# Altium PCB RFFE-Ver1A.PcbDoc (part 1 of 7) (continued)
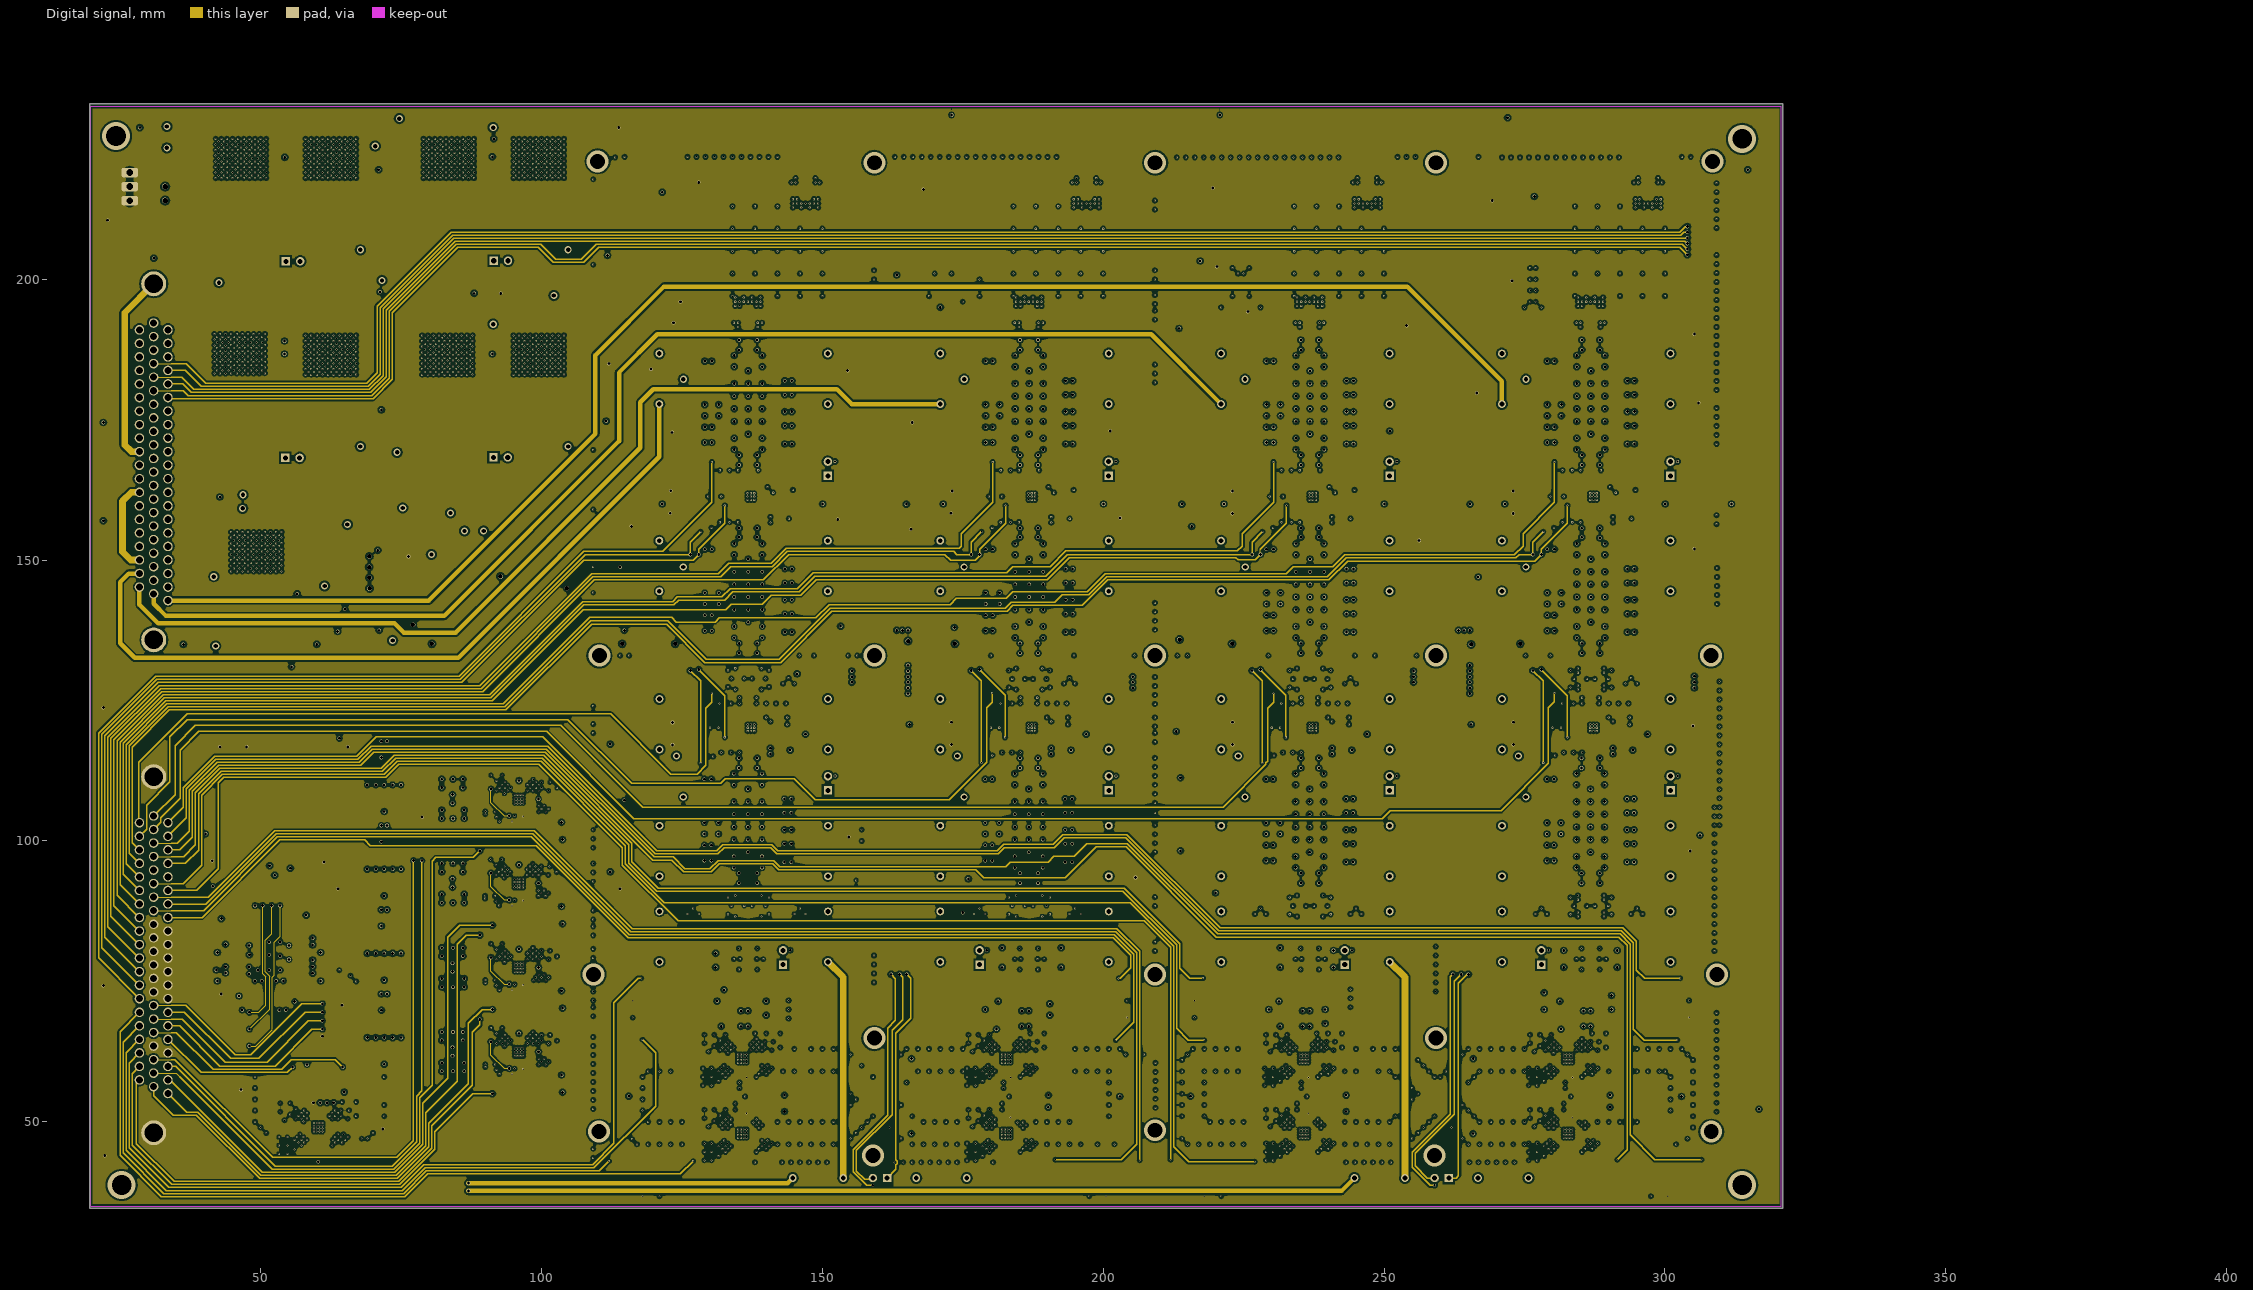
[diagram p5: Digital signal]
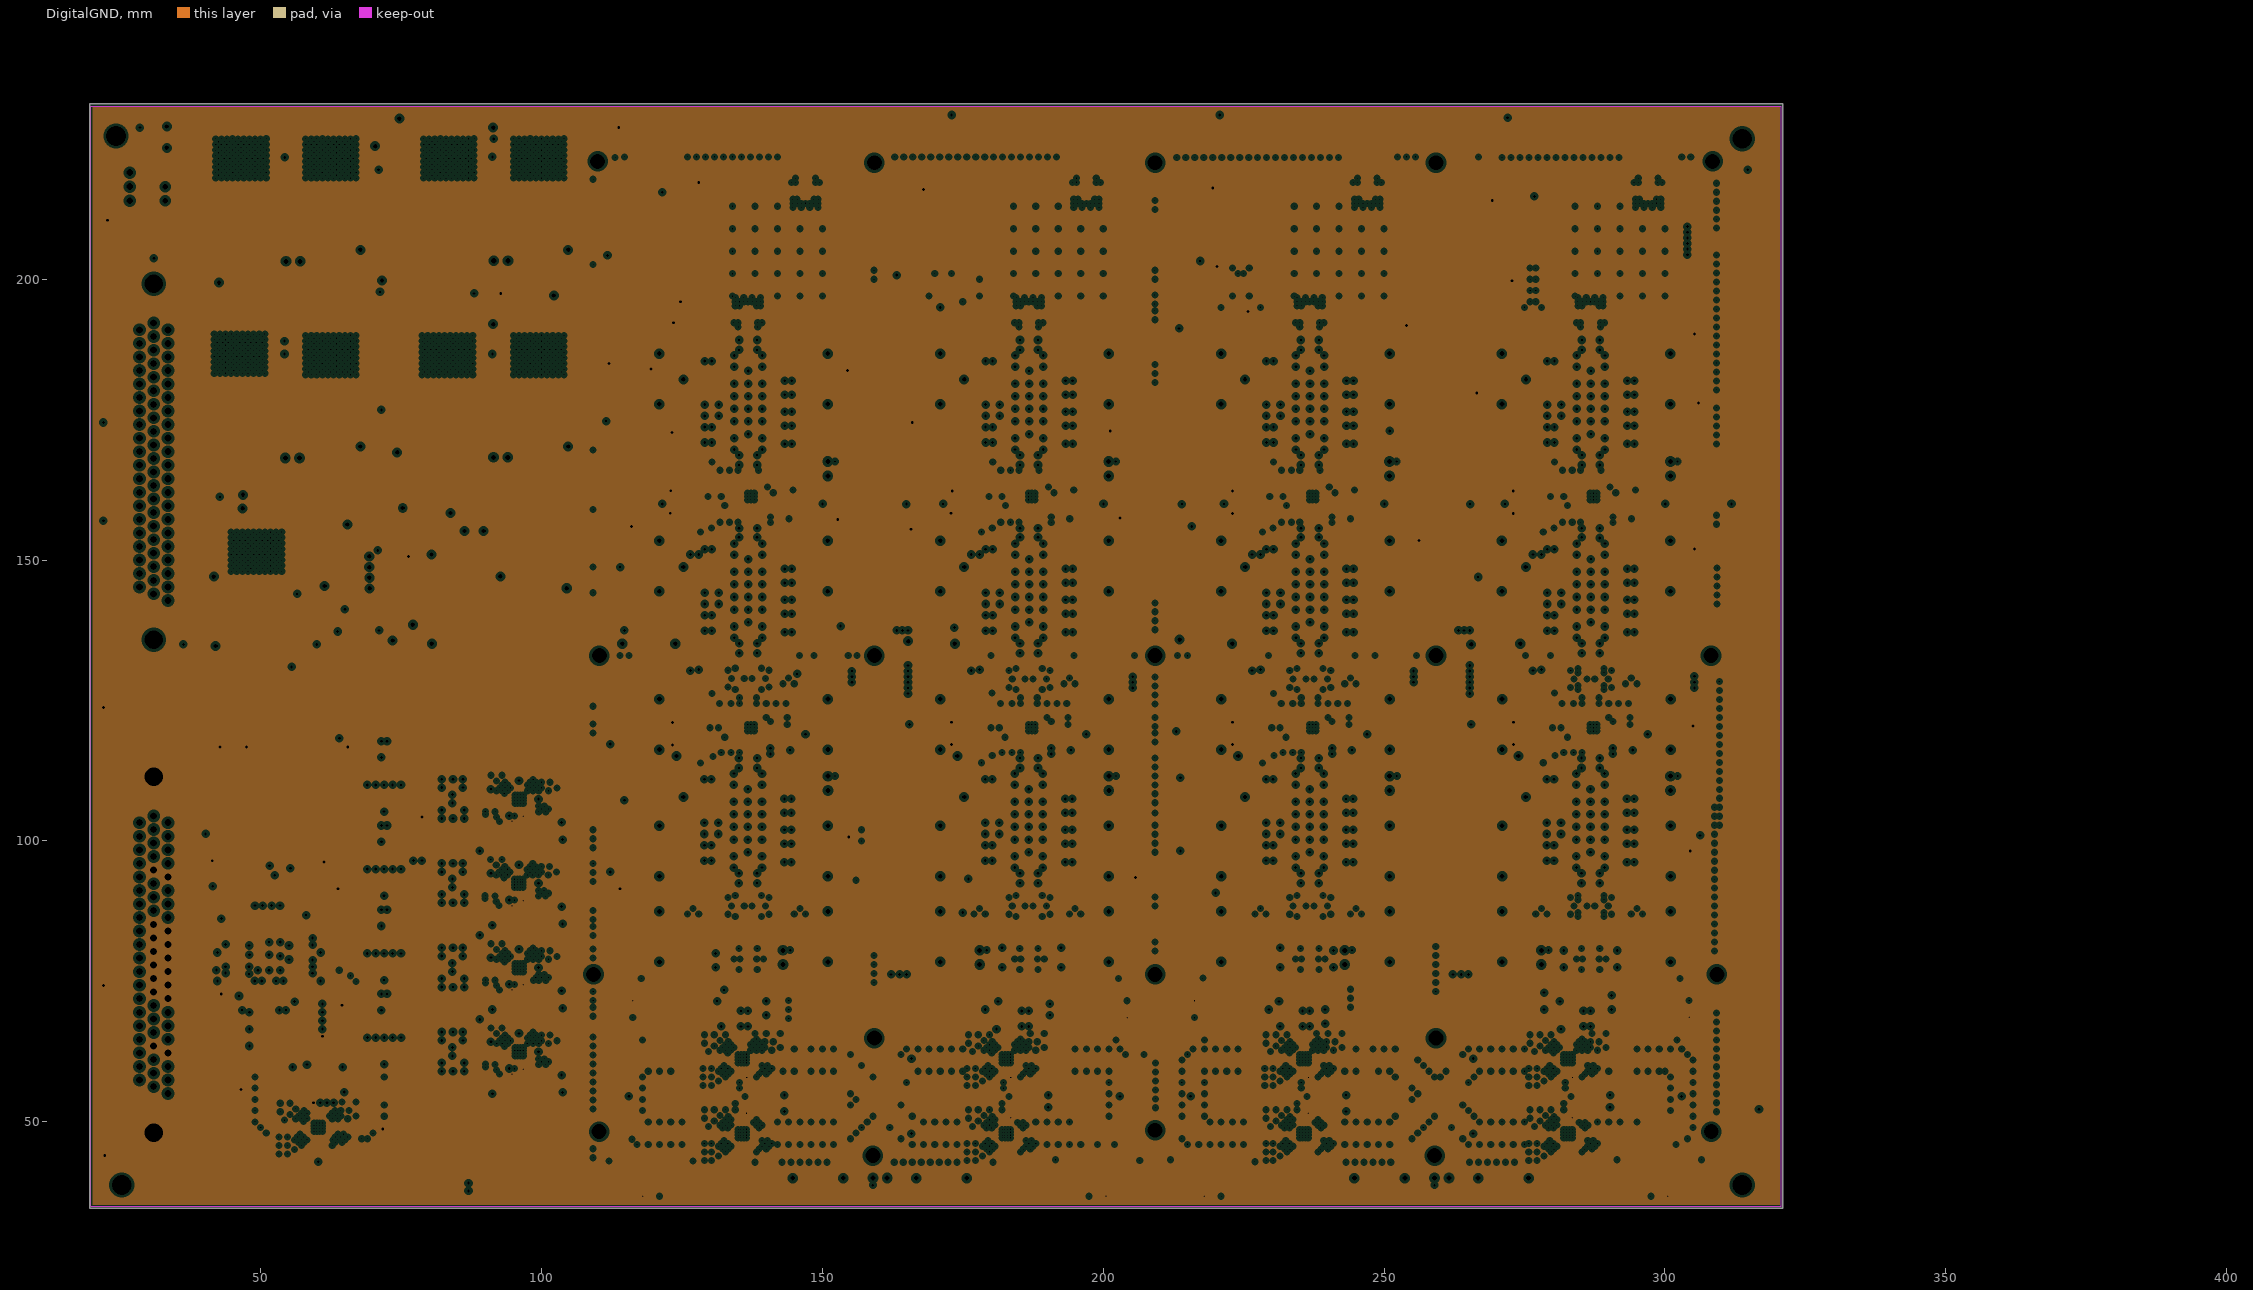
[diagram p6: DigitalGND, clearances drawn from the general rule]
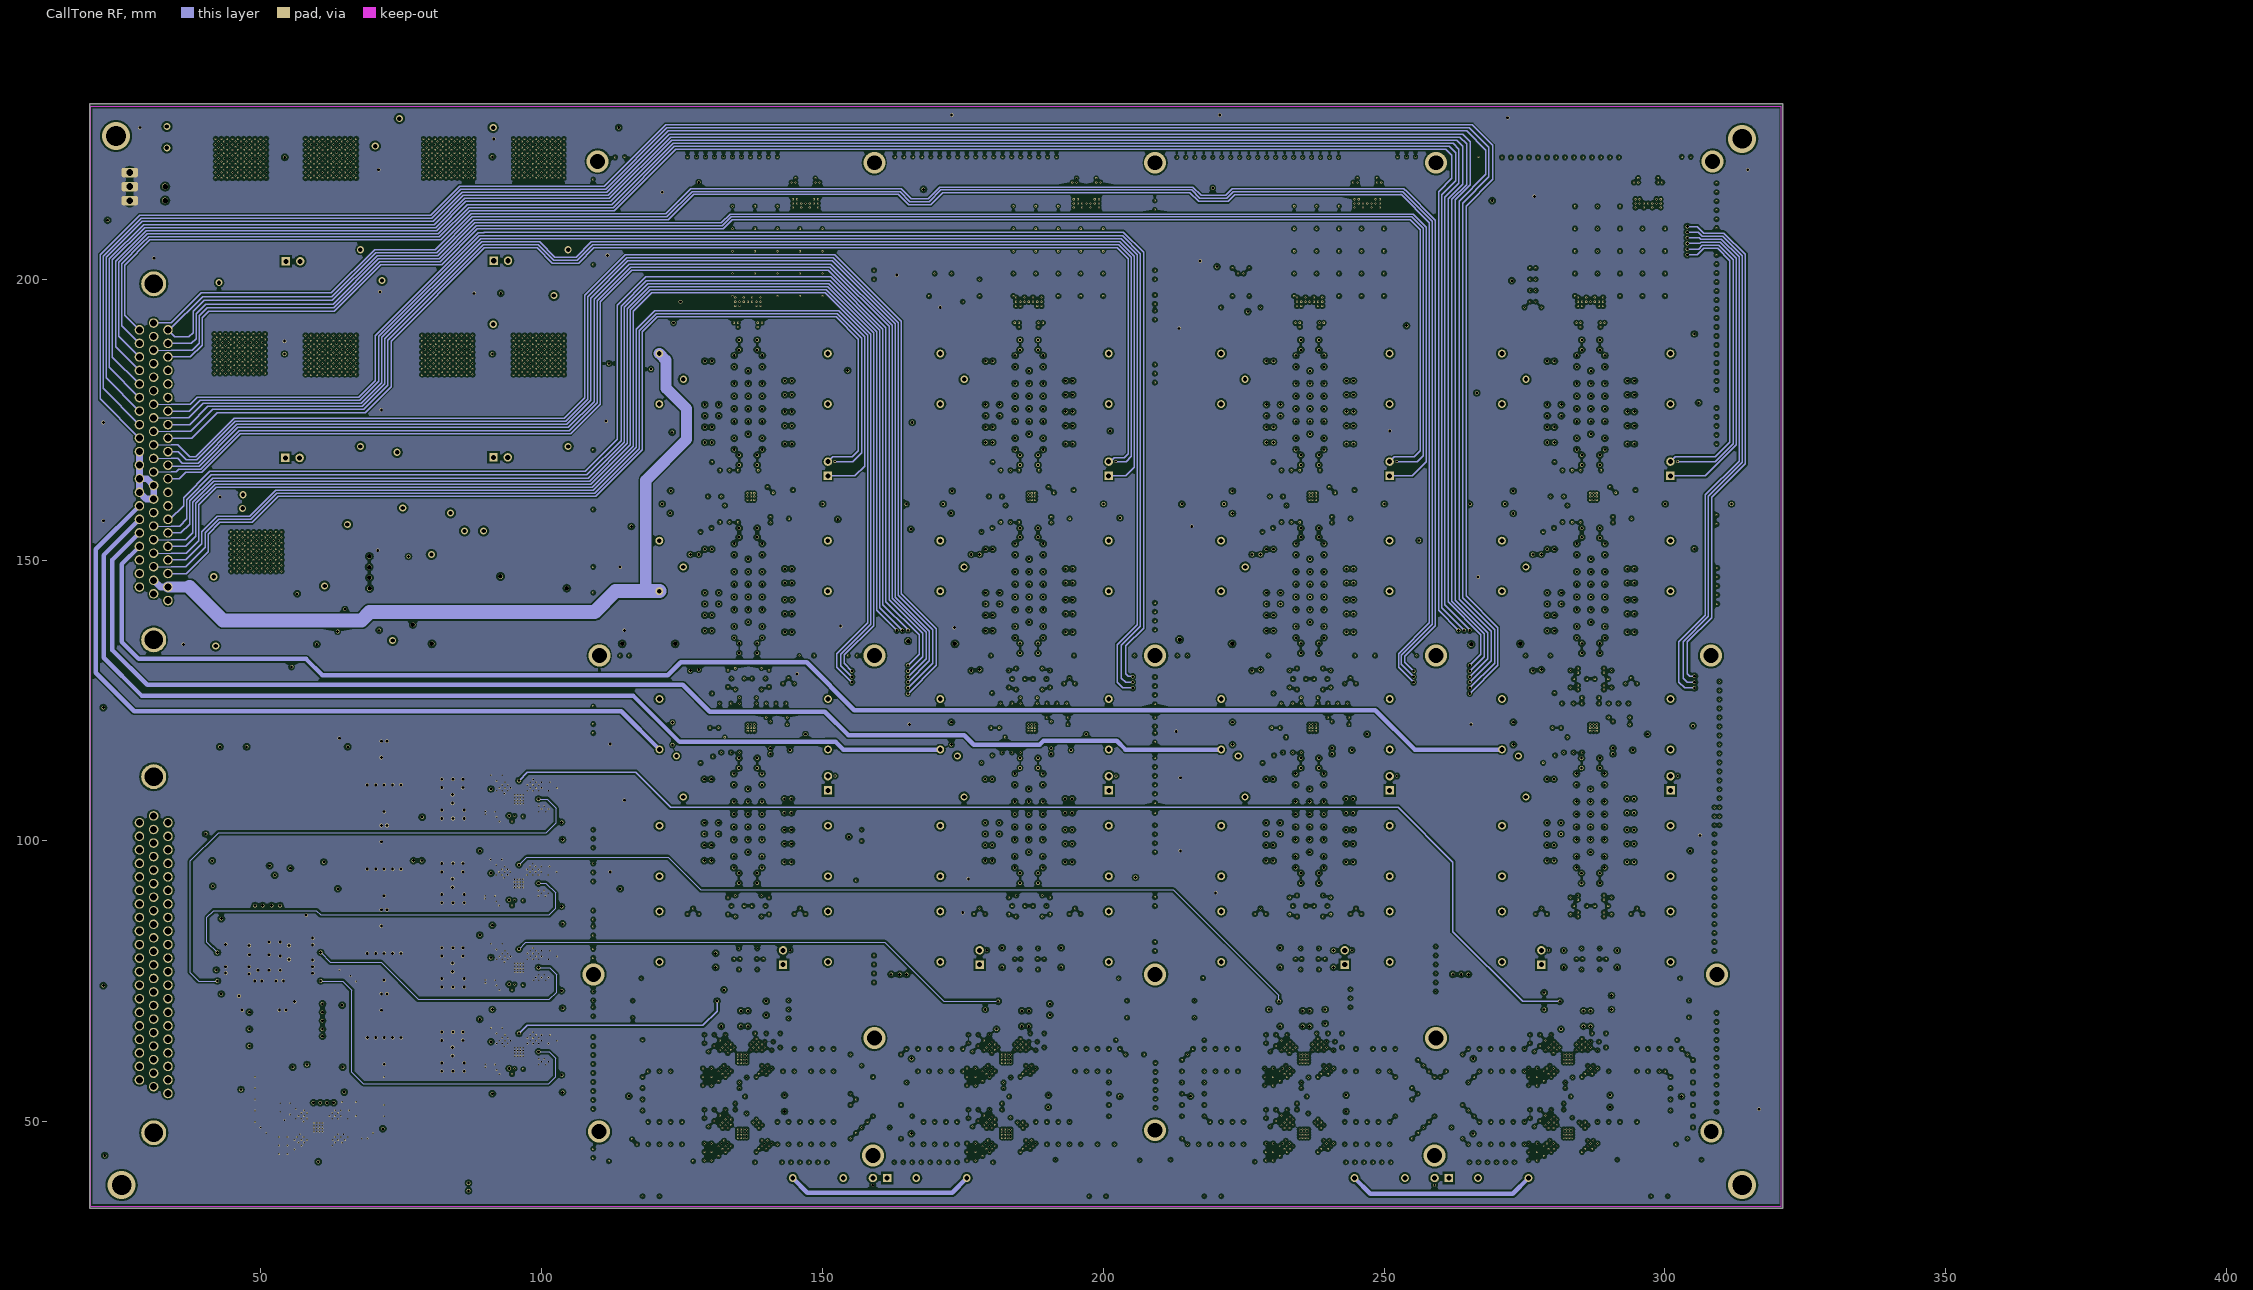
[diagram p7: CallTone RF]
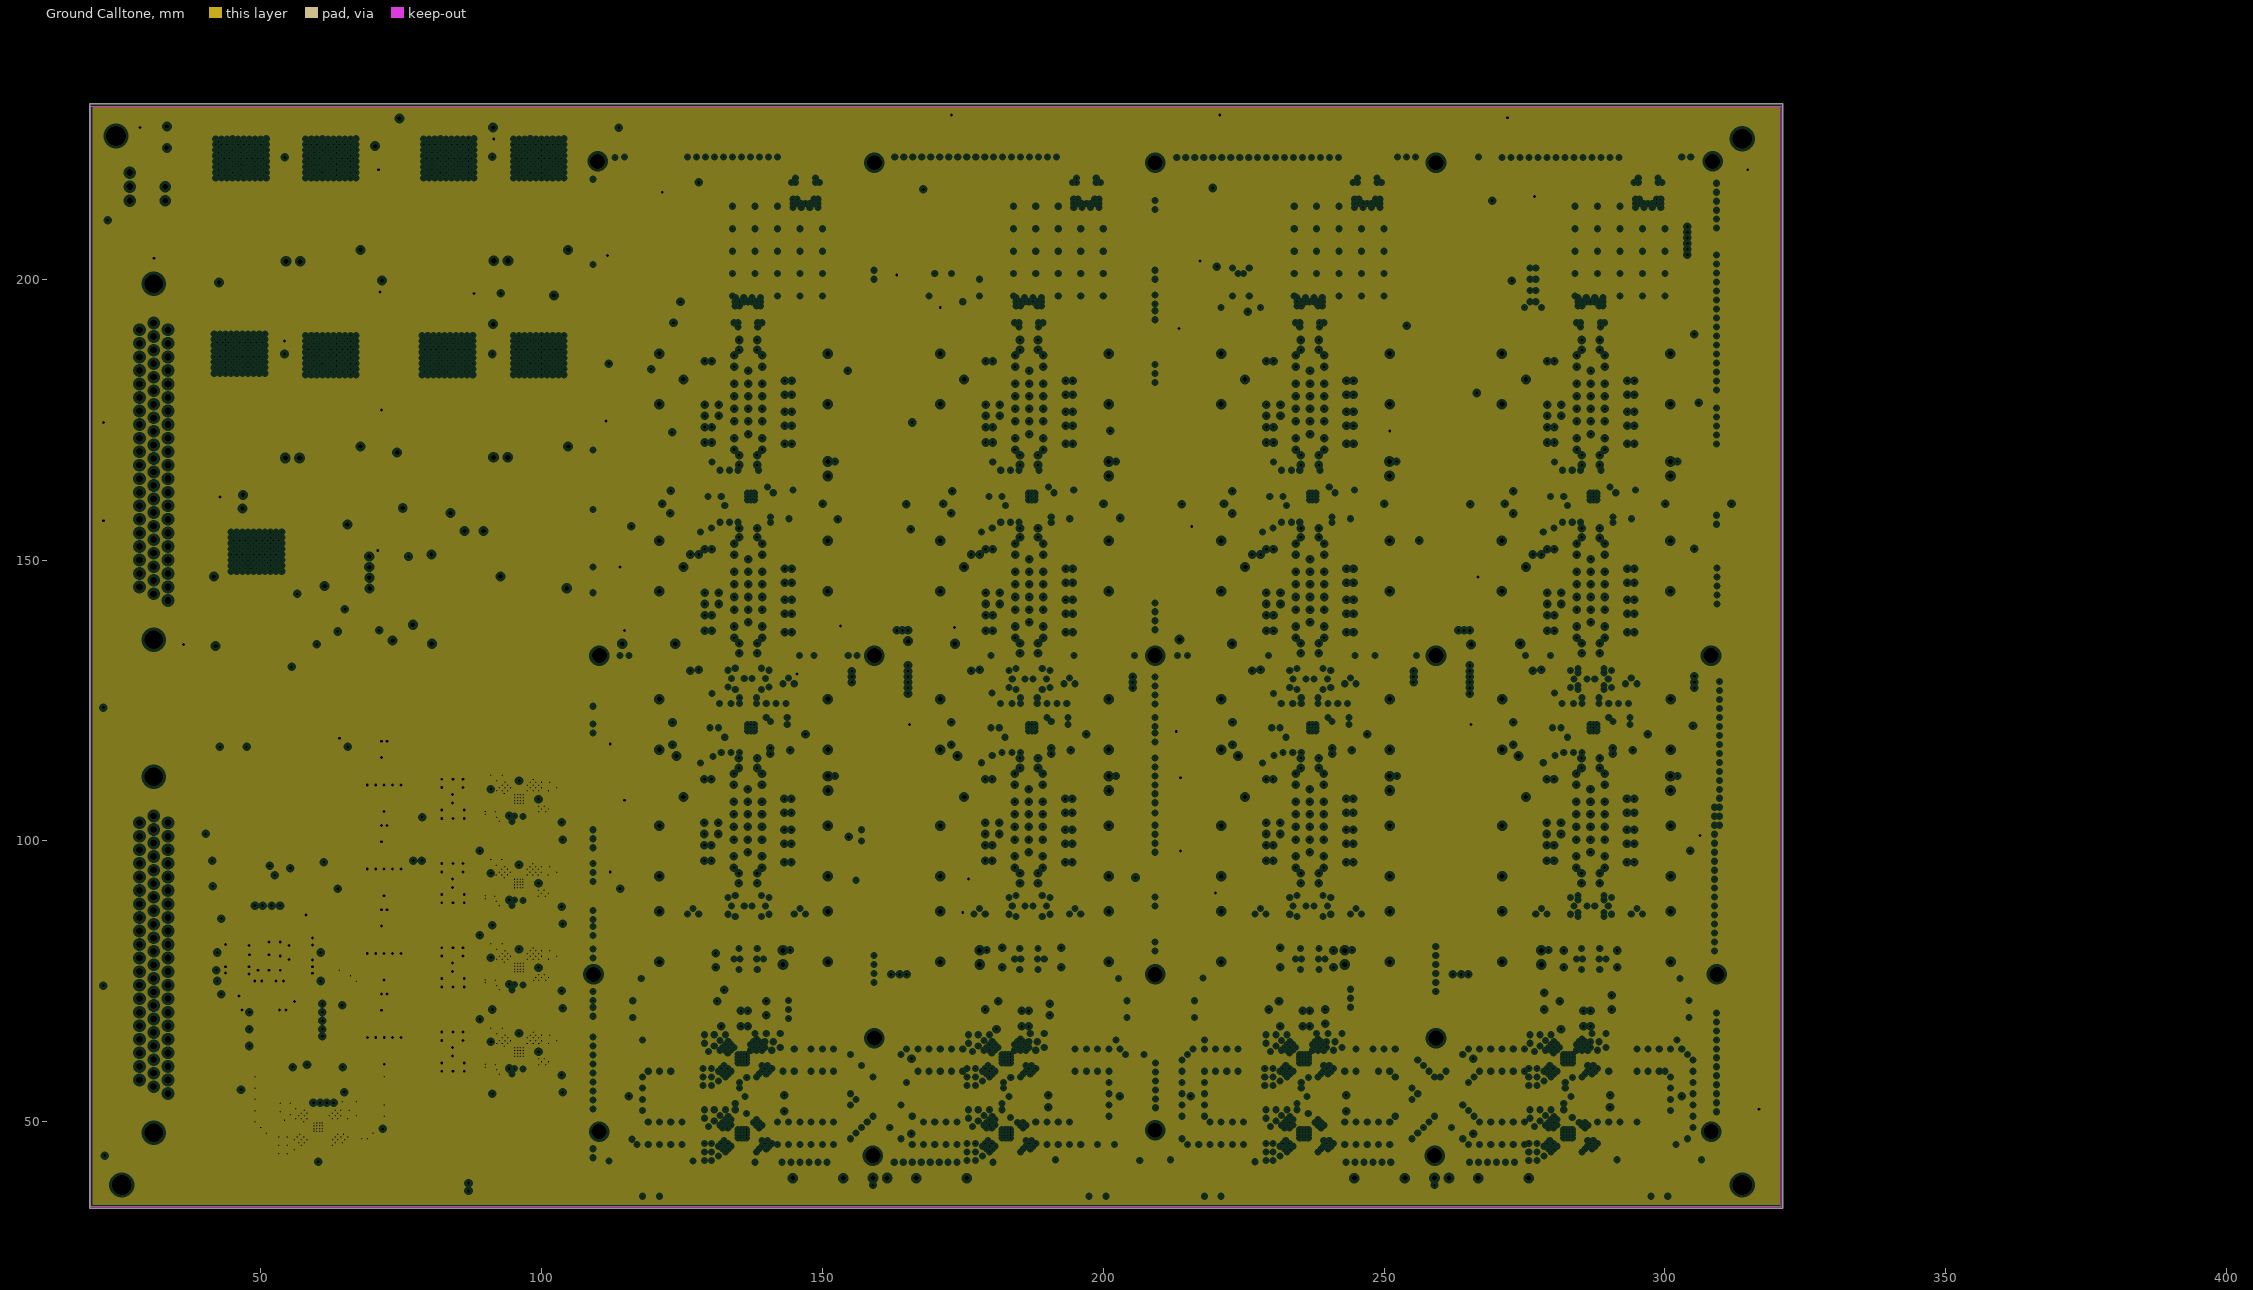
[diagram p8: Ground Calltone, clearances drawn from the general rule]
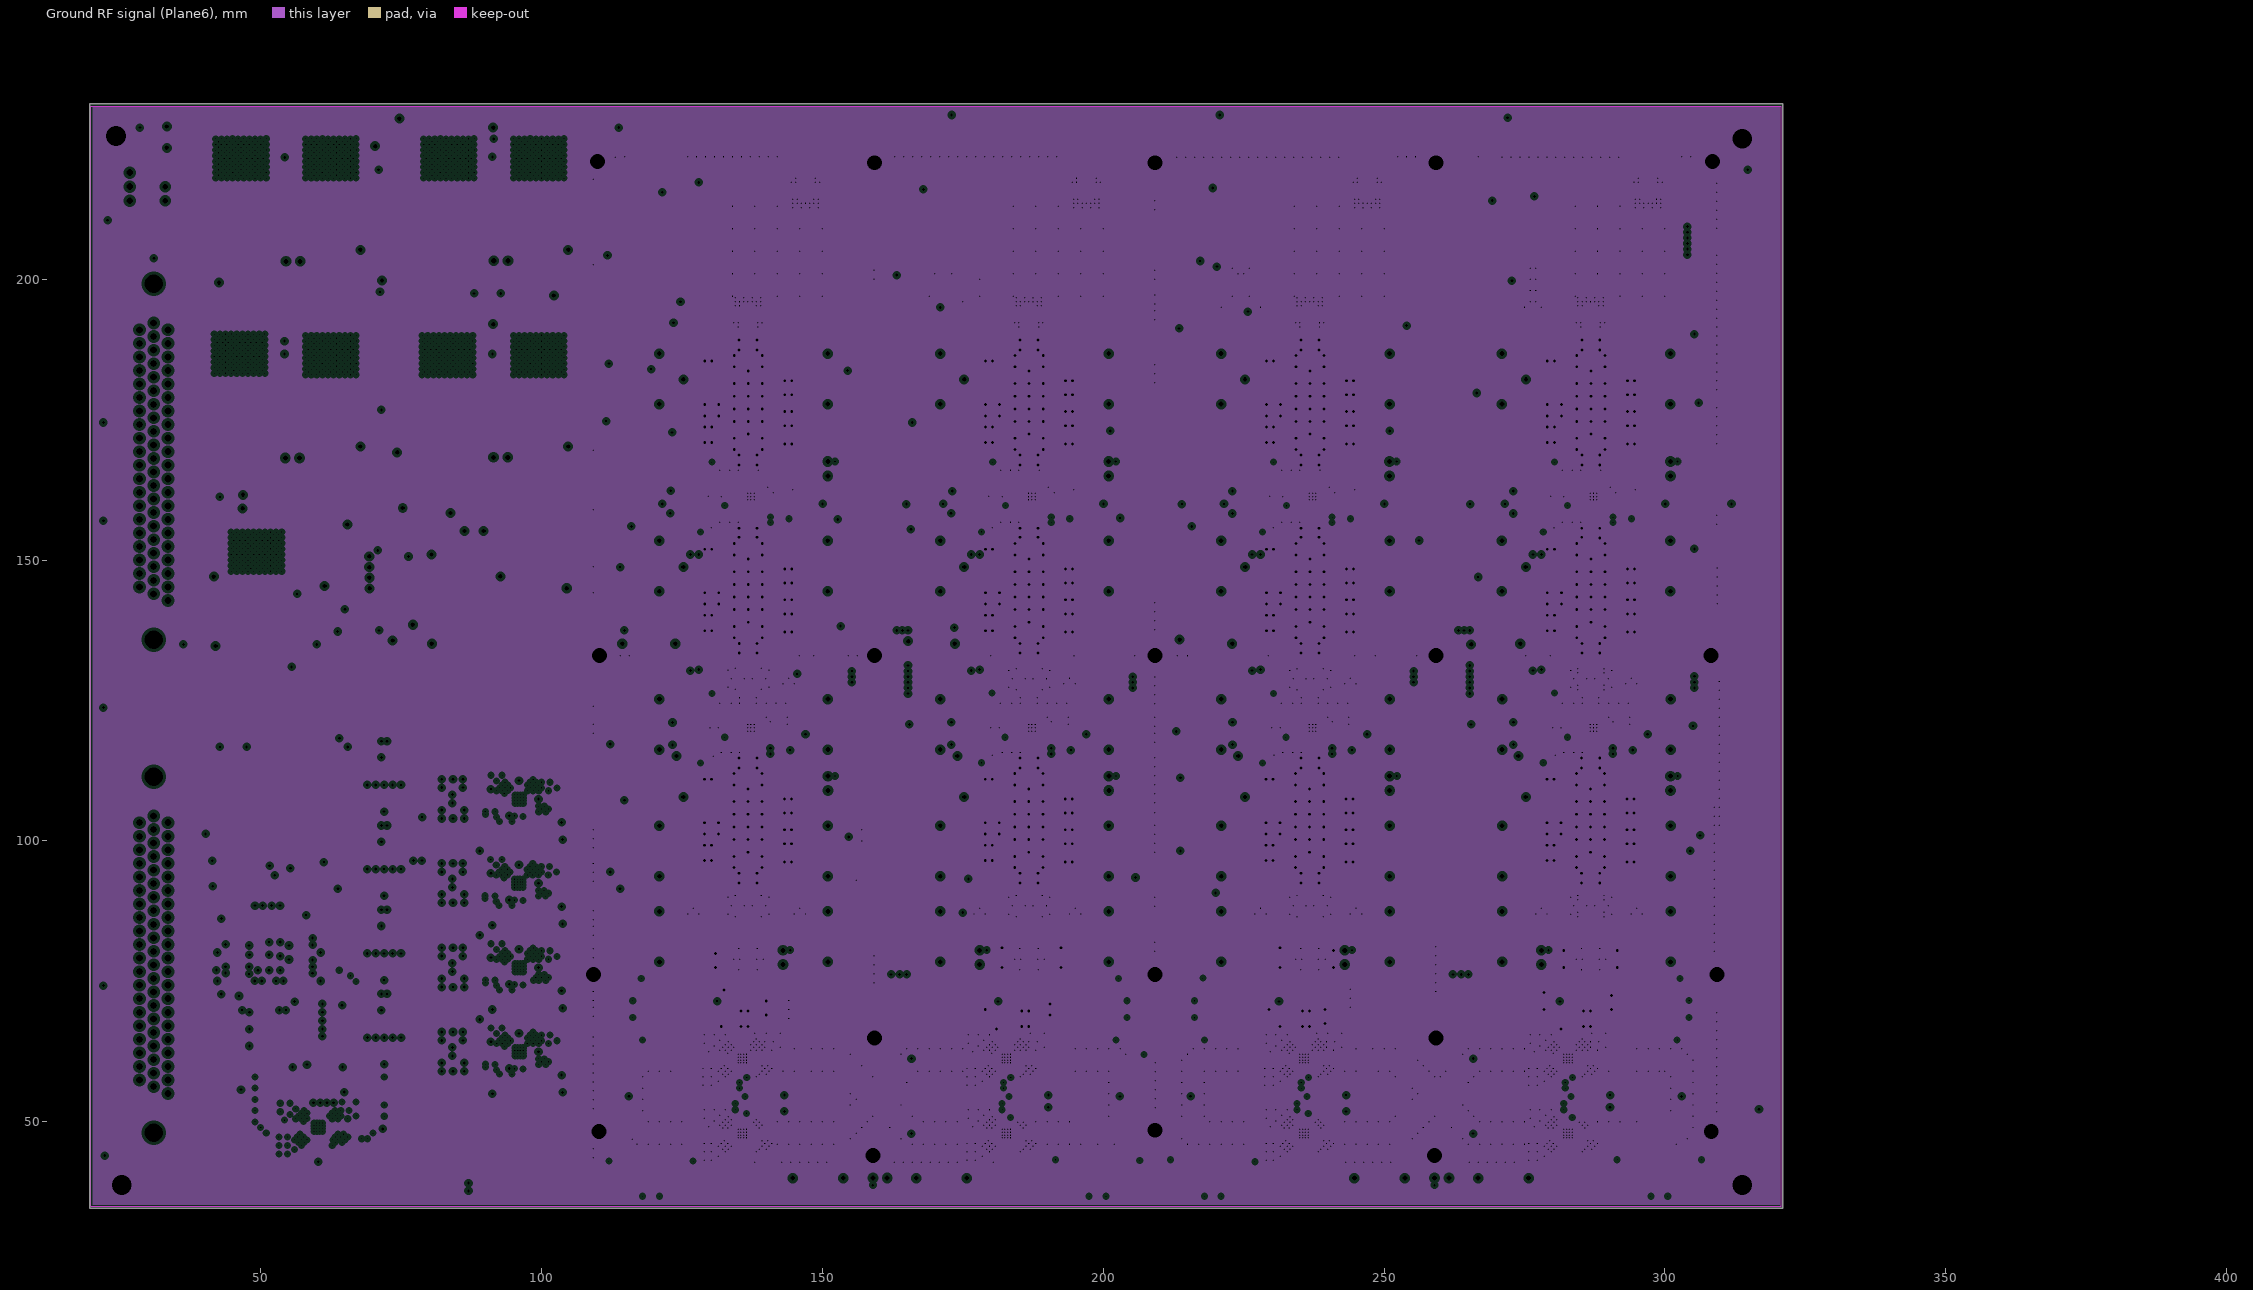
[diagram p9: Ground RF signal (Plane6), clearances drawn from the general rule]

## Layer stack, top to bottom
RFsignal Top: signal copper 0.018
Dielectric: core 0.508, RO4350B, Dk 3.48
Ground RF signal: plane copper 0.018, net RFGND
Dielectric: prepreg 0.101, RO4450F, Dk 3.52
Supply: signal copper 0.0356
Dielectric: core 0.254, RO4350B, Dk 3.48
SupplyGND: plane copper 0.0356, net 3VGND
Dielectric: prepreg 0.101, RO4450F, Dk 3.52
Digital signal: signal copper 0.0356
Dielectric: core 0.101, RO4350B, Dk 3.48
DigitalGND: plane copper 0.0356, net DGND
Dielectric: prepreg 0.101, RO4450F, Dk 3.52
CallTone RF: signal copper 0.0356
Dielectric: core 0.101, RO4350B, Dk 3.48
Ground Calltone: plane copper 0.0356, net PGND
Dielectric: prepreg 0.101, RO4450F, Dk 3.52
Ground RF signal (Plane6): plane copper 0.018, net RFGND
Dielectric: core 0.254, RO4350B, Dk 3.48
RFsignal Bottom: signal copper 0.018

## Board outline
19.6,231.25 19.6,34.65 321,34.65 321,231 321,231.25 19.6,231.25

## Design rules (kind name [scope] priority, off if disabled: settings)
AcuteAngle [All] p1: minimum=6.00000000000000E+0001 checktracksonly=FALSE
Clearance [All] p1: gap=0.33
ComponentClearance [All] p1: gap=0.2 collisioncheckmode=3 verticalgap=0.254 showdistances=FALSE
HoleSize [All] p1: absolutevalues=TRUE maxlimit=5 minlimit=0.1 maxpercent=80.000 minpercent=20.000
HoleToHoleClearance [All] p1: gap=0.2 allowstackedmicrovias=TRUE
PlaneClearance [All] p1: clearance=0.508
PlaneConnect [All] p1: planeconnectstyle=Direct reliefexpansion=0.508 reliefentries=4 reliefconductorwidth=0.254 reliefairgap=0.254
PolygonConnect [All] p1: connectstyle=Direct reliefconductorwidth=0.254 reliefentries=4 polygonreliefangle="90 Angle" airgapwidth=0.254
RoomDefinition RFFE-Supply-Ver1 [InComponentClass('RFFE-Supply-Ver1')] p1 off: confinementstyle=ConfineIn formatcopy=TRUE lockcomponents=FALSE outline 19.75,127.01 108.35,127.01 108.35,230.793 19.75,230.793
RoomDefinition RFFE-Pilot-Ver1 [InComponentClass('RFFE-Pilot-Ver1')] p2 off: confinementstyle=ConfineIn formatcopy=TRUE lockcomponents=FALSE outline 19.75,35 108.35,35 108.35,127.01 19.75,127.01
RoomDefinition RFFE-Ver1 [InComponentClass('RFFE-Ver1')] p3 off: confinementstyle=ConfineIn formatcopy=TRUE lockcomponents=FALSE outline 108.35,35 320.75,35 320.75,230.74 108.35,230.74
RoutingTopology [All] p1: topology=Horizontal
RoutingVias [All] p1: holewidth=0.711 width=1.27 viastyle="Through Hole" minholewidth=0.254 minwidth=0.254 maxholewidth=5 maxwidth=5
ShortCircuit ShortCircuit_10 [InNet('GND') vs InNet('V-GND')] p1: allowed=TRUE
ShortCircuit ShortCircuit_9 [InNet('GND') vs InNet('TGND')] p2: allowed=TRUE
ShortCircuit ShortCircuit_8 [InNet('GND') vs InNet('RFGND')] p3: allowed=TRUE
ShortCircuit ShortCircuit_7 [InNet('GND') vs InNet('PGND')] p4: allowed=TRUE
ShortCircuit ShortCircuit_6 [InNet('GND') vs InNet('DGND')] p5: allowed=TRUE
ShortCircuit ShortCircuit_5 [InNet('GND') vs InNet('GNDCHD')] p6: allowed=TRUE
ShortCircuit ShortCircuit_4 [InNet('GND') vs InNet('GNDCHC')] p7: allowed=TRUE
ShortCircuit ShortCircuit_3 [InNet('GND') vs InNet('GNDCHB')] p8: allowed=TRUE
ShortCircuit ShortCircuit_2 [InNet('GND') vs InNet('GNDCHA')] p9: allowed=TRUE
ShortCircuit ShortCircuit_1 [InNet('GND') vs InNet('5VGND')] p10: allowed=TRUE
ShortCircuit [InNet('GND') vs InNet('3VGND')] p11: allowed=TRUE
SilkToSilkClearance [All] p1: silktosilkclearance=0
SilkToSolderMaskClearance SilkscreenOverComponentPads [IsPad] p1: minsilkscreentomaskgap=0.254 clearancetoexposedcopper=TRUE
SolderMaskExpansion [All] p1: expansion=0.102
Width [All] p1: maxlimit=4 minlimit=0.127 preferedwidth=0.127
19 further rules are at their usual default settings.

## Classes and differential pairs
component class RFFE-Ver1: C1 C2 C3 C4 C5 C6 C7 C8 C9 C10 C11 C12 C13 C14 C15 C16 C17 C18 C19 C20 C21 C22 C23 C24 C25 C26 C27 C28 C29 C30 C31 C32 C33 C34 C35 C36 C37 C38 C39 C40 C41 C42 C43 C44 C45 C46 C47 C48 C49 C50 C51 C52 C53 C54 C55 C56 C57 C58 C59 C60 C61 C62 C63 C64 C65 C66 C67 C68 C69 C70 C71 C72 C73 C74 C75 C76 C77 C78 C79 C80 C81 C82 C83 C84 C131 C132 C133 C134 C135 C136 C137 C138 C139 C140 C141 C142 C143 C144 C145 C146 C147 C148 C149 C150 C151 C152 C153 C154 Ic1 Ic2 Ic3 Ic4 Ic5 Ic6 Ic7 Ic8 Ic9 Ic10 Ic11 Ic12 Ic13 Ic14 Ic15 Ic16 Ic17 Ic18 Ic19 Ic20 Ic21 Ic22 Ic23 Ic24 Ic25 Ic26 Ic27 Ic28 Ic29 Ic30 Ic31 Ic32 Ic33 Ic34 Ic35 Ic36 Ic37 Ic38 Ic39 Ic40 Ic41 Ic42 Ic43 Ic44 Ic45 Ic46 Ic47 Ic48 Ic49 Ic50 Ic51 Ic52 Ic53 Ic54 Ic55 Ic56 Ic57 Ic58 Ic59 Ic60 Ic61 Ic62 J1 J2 J3 J4 J5 J6 J7 J8 L1 L2 L3 L4 L5 L6 L7 L8 L9 L10 L11 L12 R1 R2 R3 R4 R5 R6 R7 R8 R9 R10 R11 R12 R13 R14 R15 R16 R17 R18 R19 R20 R21 R22 R23 R24 R25 R26 R27 R28 R29 R30 R31 R32 R33 R34 R35 R36 R37 R38 R39 R40 R41 R42 R43 R44 R45 R46 R47 R48 R49 R50 R51 R52 R53 R54 R55 R56 R57 R58 R59 R60 R61 R62 R63 R64 R65 R66 R67 R68 R69 R70 R71 R72 R73 R74 R75 R76 R77 R78 R79 R80 R81 R82 R83 R84 R85 R86 R87 R88 R89 R90 R91 R92 R93 R94 R95 R96 R97 R98 R99 R100 R101 R102 R103 R104 R105 R106 R107 R108 R109 R110 R111 R112 R113 R114 R115 R116 R117 R118 R119 R120 R121 R122 R123 R124 R125 R126 R127 R128 R129 R130 R131 R132 R133 R134 R135 R136 R137 R138 R139 R140 R141 R142 R143 R144 R145 R146 R147 R148 R149 R150 R151 R152 R153 R154 R155 R156 R157 R158 R159 R160 R161 R162 R163 R164 R165 R166 R167 R168 R169 R170 R171 R172 R173 R174 R175 R176 R177 R178 R179 R180 R181 R182 R183 R184 R185 R186 R187 R188 R189 R190 R191 R192 R193 R194 R195 R196
component class RFFE-Supply-Ver1: C112 C113 C114 C115 C116 C117 C118 C119 C120 C121 C122 C123 C124 C125 C126 C127 C128 C129 C130 Ic77 Ic78 Ic79 Ic80 Ic81 Ic82 Ic83 Ic84 Ic85 Ic86 Ic87 J12 J13 J14 J15 J16 Jmp1 Jmp2 Jmp3 Jmp4 Jmp5 Jmp6 Jmp7 Jmp8 Jmp9 Jmp10 R249 R250 R251 R252 R253 R254 R255 R256 R257 R258 R259 R260 R261 R262 R263 R264 R265 R266 R267 R268 R269 R270 R271 R272 R273 R274 R275
component class RFFE-Pilot-Ver1: C85 C86 C87 C88 C89 C90 C91 C92 C93 C94 C95 C96 C97 C98 C99 C100 C101 C102 C103 C104 C105 C106 C107 C108 C109 C110 C111 D1 D2 D3 D4 Ic63 Ic64 Ic65 Ic66 Ic67 Ic68 Ic69 Ic70 Ic71 Ic72 Ic73 Ic74 Ic75 Ic76 J9 J10 J11 R197 R198 R199 R200 R201 R202 R203 R204 R205 R206 R207 R208 R209 R210 R211 R212 R213 R214 R215 R216 R217 R218 R219 R220 R221 R222 R223 R224 R225 R226 R227 R228 R229 R230 R231 R232 R233 R234 R235 R236 R237 R238 R239 R240 R241 R242 R243 R244 R245 R246 R247 R248
